# Altium PCB Accumulator board 1 mkII 3.0.PcbDoc (continued)
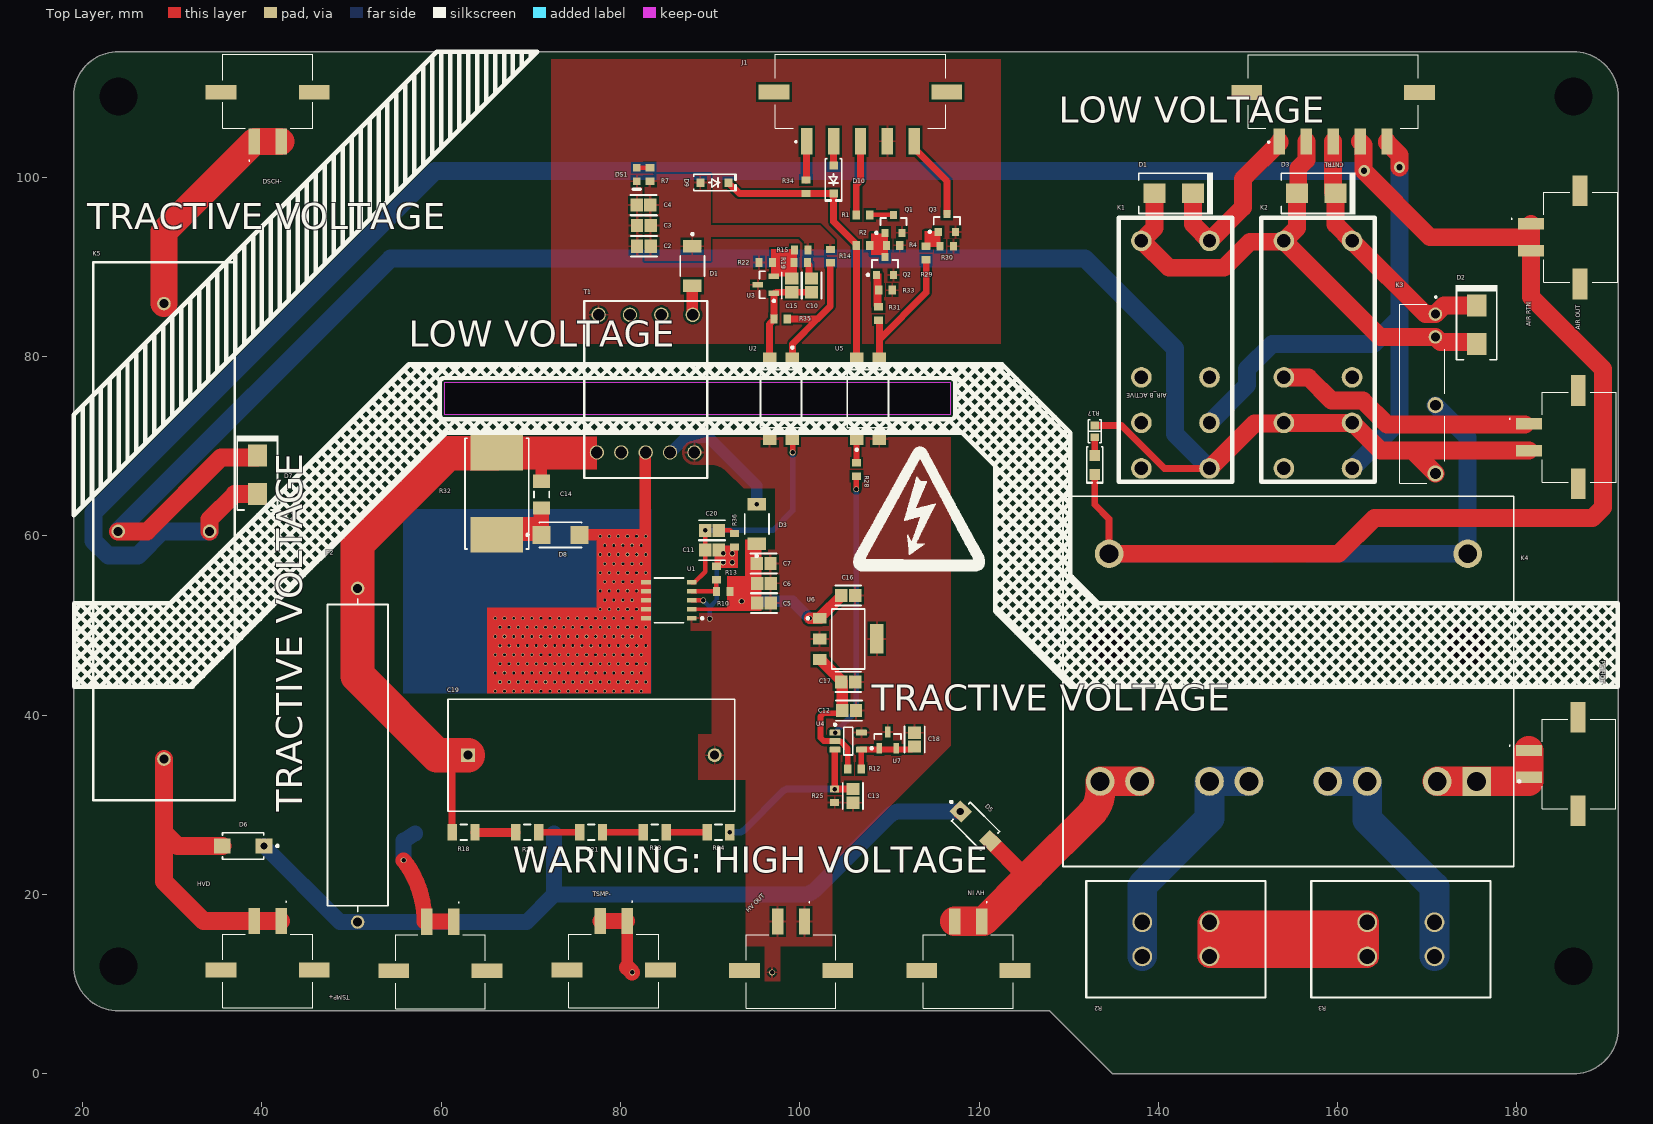
[diagram p0: Top Layer view]
## Part data (continued)
D5 D6: library part CMP-12791-000003-1, "DIODE GEN PURP 1KV 1A DFLAT", Capacitance=10pF, Forward Current=1A, Manufacturer=Diodes, Max Junction Temp=+150°C, Max Repetitive Reverse Voltage=1000V, Max Surge Forward Current=30A, Package=D-FLAT, Peak Reverse Current=5uA, Temperature="-55°C to +150°C", Temperature Range Low=-55°C, Automotive=Yes, Automotive Grade="Grade 0", Category=Diode, ComponentLink2Description=Datasheet, ComponentLink2URL=https://www.diodes.com/assets/Datasheets/US1JDFQ_US1MDFQ.pdf, Device Class L1="Discrete Semiconductors", Device Class L2=Diodes, Device Class L3="Rectifier Diodes", Digikey Description="DIODE GEN PURP 1KV 1A DFLAT", Footprint Url=https://www.diodes.com/assets/Package-Files/D-FLAT.pdf, Height=1.1mm, Lead Free=Yes, Manufacturer Part Number=US1MDFQ-13, Octopart=https://octopart.com/us1mdfq-13-diodes+inc.-75381839, Reverse Voltage=1000V, RoHS=TRUE, Temperature Range High=+150°C
D8: library part CMP-08971-000006-1, "Rectifiers DIODE GEN PURPOSE / 45ns / 1.15V", Forward Current=5A, Manufacturer=Rohm, Manufacturer Part Number=RSX501L-20TE25, Max Junction Temp=+125°C, Max Repetitive Reverse Voltage=25V, Max Surge Forward Current=70A, Package=PMDS, Peak Reverse Current=500uA, Reverse Voltage=20V, Temperature="to +125°C", Automotive=No, Category=Diode, ComponentLink2Description=Datasheet, ComponentLink2URL=https://eu.mouser.com/datasheet/2/348/rsx501l-20te25-e-1139044.pdf, Device Class L1="Discrete Semiconductors", Device Class L2=Diodes, Device Class L3="Schottky Diodes", Digikey Description="DIODE SCHOTTKY 20V 5A PMDS", Height=2.2mm, Lead Free=Yes, Obsolete Part=true, Octopart=https://octopart.com/rsx501l-20te25-rohm-333183, RoHS=TRUE, Temperature Range High=+125°C
D9 D10: library part 1N4448, "153-0632", Code_JEDEC=DO-204-AH, ComponentLink1Description="Manufacturer Link", ComponentLink1URL=http://www.fairchildsemi.com/, ComponentLink2Description=Datasheet, ComponentLink2URL=http://www.fairchildsemi.com/ds/1N%2F1N4448.pdf, DatasheetDocument=1997, LatestRevisionDate=17-Jul-2002, LatestRevisionNote="Re-released for DXP Platform.", PackageReference=DO-35, Published=8-Jun-2000, Publisher="Altium Limited"
DS1: library part CMP-1744-00004-1, "LED Uni-Color Red, 65 mW, 20 mA, -40 to 85 degC, 2-Pin SMD, RoHS, Tape and Reel", Current Rating="1 A", Max Operating Temperature="85 degC", Min Operating Temperature="-30 degC", Package Quantity=2000, ComponentLink1Description="Manufacturer URL", ComponentLink1URL=http://www.avagotech.com/, ComponentLink2Description=Datasheet, ComponentLink2URL=http://docs.avagotech.com/docs/AV02-0551EN, ComponentLink3Description="Package Specification", ComponentLink3URL=http://www.fairchildsemi.com/dwg/MA/MA03D.pdf, Connector Type=USB, Contact Material=Copper, Contact Plating=Gold, DatasheetVersion=Mar-12, Gender=Male, Height="2.8 mm", Lead Pitch="0.65 mm", Length="7.5 mm", Mount="Surface Mount", PackageDescription="2-Pin Surface Mount Device, Body 1.6 x 0.8 mm, Height 0.9 mm", PackageReference=HSMX-C190, Packaging="Tape and Reel", Pins=5, REACH SVHC="No SVHC", RoHSCompliant=true, Width="5.6 mm"
F2: library part CMP-16042-000001-1, "FUSE CERM 1.25A 1000V AXL", Fuse Current=1.25A, Fuse Voltage Drop=550mV, Manufacturer="Bel Fuse", Max Fuse Ac Voltage=1000V, Package=0ADBP, Resistance=300mΩ, Temperature="-50°C to +105°C", Temperature Range High=+105°C, Temperature Range Low=-50°C, Automotive=No, Category=Fuse, ComponentLink2Description=Datasheet, ComponentLink2URL=https://belfuse.com/resources/datasheets/circuitprotection/ds-cp-0adbx-series.pdf, Device Class L1="Circuit Protection", Device Class L2=Fuses, Device Class L3=unset, Digikey Description="FUSE CERM 1.25A 1000V AXL", Fuse Blow Speed=Fast, Fuse I2T=3A2Sec, Height=6.76mm, Ipc Land Pattern Name=CAPAD3723W100L3361D676, Lead Free=Yes, Manufacturer Part Number=0ADBP1250-RE, Max Fuse Dc Voltage=1000V, Octopart=https://octopart.com/0adbp1250-re-bel+fuse-88207834, RoHS=TRUE, Voltage Rating=1000V
K1 K2: "Dual-Pole Dual-Throw Relay", LatestRevisionDate=17-Jul-2002, LatestRevisionNote="Re-released for DXP Platform.", PackageDescription="Relay; 8 Leads", PackageReference=DIP-P8, Published=24-Mar-1999, Publisher="Altium Limited"
K3: "Relay"
K4: library part CMP-05606-000003-1, "RELAY GEN PURPOSE DPST 20A 24V", Coil Current=80mA, Coil Power=1920mW, Coil Resistance=300Ω, Coil Voltage=24V, Current Rating=20A, Manufacturer="Panasonic Electric Works", Manufacturer Part Number=HEV2AN-P-DC24V, Package=HE-V, Temperature="-40°C to +85°C", Temperature Range High=+85°C, Temperature Range Low=-40°C, Automotive=No, Category=Relay, Coil Type=Non-Latching, ComponentLink2Description=Datasheet, ComponentLink2URL=https://industrial.panasonic.com/ac/cdn/e/control/relay/interception/catalog/mech_eng_hev.pdf, Device Class L1=Electromechanical, Device Class L2=Relays, Device Class L3="Power Relays", Digikey Description="RELAY GEN PURPOSE DPST 20A 24V", Height=39.7mm, Lead Free=Yes, Mouser Description="General Purpose Relays HE-V 20A High Capacity DC24V", Number of Contacts=2, Octopart=https://octopart.com/hev2an-p-dc24v-panasonic-45743145, RoHS=TRUE, Switching Current=20A, Throw Configuration="DPST-NO (2 Form A)"
K5: "SPST NC Reed Relay"
Q1: library part CMP-1058-00785-1, "Small Signal MOSFET, 60 V, 380 mA, Single, N-Channel, 3-Pin SOT-23, Pb-Free, Tape and Reel", Manufacturer="On Semiconductor", Package Type=SOT-23-3, Channel Polarity="N Channel", Ciss Typ (pF)=24.5, ComponentLink1Description="Manufacturer URL", ComponentLink1URL=http://www.onsemi.com/, ComponentLink2Description=Datasheet, ComponentLink2URL=http://www.onsemi.com/pub_link/Collateral/2N7002K-D.PDF, ComponentLink3Description="Package Specification", ComponentLink3URL=http://www.onsemi.cn/pub_link/Collateral/318-08.PDF, Configuration=Single, Coss Typ (pF)=4.2, Crss Typ (pF)=2.2, DatasheetVersion="Rev. 11", ID Max (A)=0.38, Mounting Technology="Surface Mount", PackageDescription="3-Pin Small Outline Transistor, Body 2.92 x 1.3 mm, Pitch 0.95 mm", PackageReference=SOT-23-3-318-08, PackageVersion="Rev. AP, 11/2009", Packing="Tape and Reel", PartNumber=2N7002KT3G, RoHS=Pb-Free, V(BR)DSS Min (V)=60, VGS Max (V)=20, VGS(th) Max (V)=2.3
Q2 Q3: library part CMP-1048-00662-1, "High Voltage Transistor, NPN Silicon, 3-Pin SOT-23, Pb-Free, Tape and Reel", Manufacturer="On Semiconductor", ComponentLink1Description="Manufacturer URL", ComponentLink1URL=http://www.onsemi.com/, ComponentLink2Description=Datasheet, ComponentLink2URL=http://www.onsemi.cn/pub_link/Collateral/MMBTA42LT1-D.PDF, ComponentLink3Description="Package Specification", ComponentLink3URL=http://www.onsemi.cn/pub_link/Collateral/318-08.PDF, DatasheetVersion="Rev. 12", fT Min (MHz)=50, IC Continuous (A)=0.5, Mounting Technology="Surface Mount", PackageDescription="3-Pin Small Outline Transistor, Body 2.92 x 1.3 mm, Pitch 0.95 mm", PackageReference=SOT-23-3-318-08, PackageVersion="Rev. AP, 11/2009", Packing="Tape and Reel", PartNumber=MMBTA42LT1G, Polarity=NPN, RoHS=TRUE
R1 R2 R4 R7 R10 R12 R13 R14 R15 R19 R22 R25 R28 R29 R30 R31 R33 R34 R35 R36: library part CMP-2100-03667-1, "Chip Resistor, 0 Ohm, +/- 5%, 0.1 W, -55 to 155 degC, 0603 (1608 Metric), RoHS, Tape and Reel", Case Code (Imperial)=0603, Case Code (Metric)=1608, Manufacturer=Yageo, Max Operating Temperature=155degC, Min Operating Temperature=-55degC, Package Description="2-Pin Surface Mount Device, Body 1.6 x 0.8 mm", Package Quantity=5000, Power Rating=100mW, Resistance=0mOhm, Temperature Coefficient=200ppm/degreesC, Tolerance=5%, Voltage Rating=50V, Case/Package=0603, Composition=ThickFilm, Contact Plating=Tin, Datasheet URL=http://www.yageo.com/NewPortal/yageodocoutput?fileName=/pdf/R-Chip/PYu-RC_Group_51_RoHS_L_5.pdf, Datasheet Version="Rev. 5, 10/2016", Depth=0.8mm, Height=0.45mm, Lead Free=LeadFree, Length=1.6mm, Manufacturer URL=http://www.yageo.com/, Military Standard=Not, Number of Pins=2, Package Reference=0603, Packaging=TapeandReel, Radiation Hardening=No, REACH SVHC=NoSVHC, RoHSCompliant=true, Termination=SMD/SMT, Voltage Rating (DC)=50V, Width=0.8mm
R2 R3: library part Component_1, "https://www.ohmite.com/assets/docs/res_tww_twm.pdf"
R5 R6: library part CMP-03211-011405-1, "SMF715KJT", Case Code (Imperial)=5328, Case/Package=SMD/SMT, Max Operating Temperature=280°C, Max Power Dissipation=5W, Min Operating Temperature=-80°C, Number of Resistors=1, Resistance=1kR, Resistance Tolerance=5%, Resistor Type="Power resistor", Temperature Coefficient=100ppm/°C, Voltage Rating=500V, Depth=7.3mm, ELV=Compliant, Features="Flame Retardant Coating", Height=6.8mm, Length=13.5mm, Mount="Surface Mount", Number of Terminations=2, Packaging="Tape and Reel", Power Rating=5W, Radiation Hardening=No, RoHS Compliant=Yes, Series=SM, Technology="METAL FILM", Termination=Solder, Tolerance=5%, Voltage Rating (DC)=500V, Width=7.3mm
R17: library part Res1, "Thin Film Resistors - SMD 10K OHM .1% 15PPM 1/10W", LatestRevisionDate=17-Jul-2002, LatestRevisionNote="Re-released for DXP Platform.", PackageDescription="Axial Device, Thru-Hole; 2 Leads; 0.3 in Pin Spacing", PackageReference=AXIAL-0.3, Published=8-Jun-2000, Publisher="Altium Limited"
R18 R20 R21 R23 R24: library part CMP-02407-001891-1, "CRMA1206AF220KDKEF", Case Code (Imperial)=1206, Case Code (Metric)=3216, Max Operating Temperature=155°C, Max Power Dissipation=250mW, Min Operating Temperature=-55°C, Package Quantity=10, Resistance=33R, Temperature Coefficient=100ppm/°C, Tolerance=1%, Voltage Rating=200V, Case/Package=1206, Composition="Thick Film", Contact Plating=Tin, Depth=1.6mm, Features="Automotive AEC-Q200", Height=0.55mm, Lead Free="Lead Free", Length=3.2mm, Military Standard=Not, Number of Terminations=2, Packaging="Tape and Reel", Power Rating=250mW, Radiation Hardening=No, Termination=SMD/SMT, Voltage Rating (DC)=200V, Weight=0.000353oz, Width=1.6mm
R32: library part CMP-02407-000027-1, "Thick Film Resistors - SMD 3560 2K4 1% / 35602K4FT", Manufacturer=Vishay, Manufacturer Part Number=WSR3R1000FEK, Package=WSR, Power Rating=3W, Resistance=100mΩ, Temperature="-65°C to +275°C", Temperature Coefficient=75ppm/°C, Temperature Range High=+275°C, Temperature Range Low=-65°C, Tolerance=1%, Automotive=Yes, Automotive Grade="Grade 0", Category=Res, ComponentLink2Description=Datasheet, ComponentLink2URL=http://www.vishay.com/docs/30101/wsr.pdf, Composition="Metal Strip", Device Class L1="Passive Components", Device Class L2=Resistors, Device Class L3="Chip SMD Resistors", Digikey Description="RES 0.1 OHM 1% 3W 4527", Height=2.537mm, Lead Free=Yes, Mouser Description="Res Metal Strip 4527 0.1 Ohm 1% 3W ±75ppm/C Sulfur Resistant Molded J-Lead SMD Automotive Bulk", Octopart=https://octopart.com/wsr3r1000fek-vishay-39709091, RoHS=TRUE, Series=WSR
T1: library part Trans3, "Three-winding Transformer (Non-Ideal)", LatestRevisionDate=17-Jul-2002, LatestRevisionNote="Re-released for DXP Platform.", PackageDescription="Transformer; 6 Leads", PackageReference=TRF_6, Published=25-Jan-2001, Publisher="Altium Limited", Sim Note="Enter the turns ratios, Core loss resistance, Magnetising Reactance, Leakage Reactances and Resistances referred to the primary side into the parameter fields."
U1: library part CMP-12154-000005-1, "IC OFFLINE CONV PWM 10SSOP", Manufacturer=STMicroelectronics, Max Junction Temp=+150°C, Max Power Dissipation=1W, Max Supply Voltage=30V, Min Supply Voltage=4.5V, Nominal Supply Current=0.85mA, Package=SSOP10-8140761, Switching Frequency=60kHz, Temperature="-40°C to +150°C", Temperature Range Low=-40°C, Automotive=No, Category=IC, ComponentLink2Description=Datasheet, ComponentLink2URL=https://www.st.com/resource/en/datasheet/viper01.pdf, Device Class L1="Integrated Circuits (ICs)", Device Class L2="Power Management ICs", Device Class L3="Voltage Regulators - Switching", Digikey Description="IC OFFLINE CONV PWM 10SSOP", Height=1.75mm, Ipc Land Pattern Name=SOP100P600X175-10, Lead Free=Yes, Manufacturer Part Number=VIPER013LS, Max Duty Cycle=80%, Number of Outputs=1, Octopart=https://octopart.com/viper013ls-stmicroelectronics-74146980, Output Type=Fixed, RoHS=TRUE, Standoff Height=0.1mm, Switching Topology=Buck,Buck-Boost,Flyback, Temperature Range High=+150°C
U2 U5: library part CMP-2000-06631-1, "Photocoupler, 50 mA, -30 to 110 degC, 4-Pin SMD, RoHS, Tape and Reel", Isolation Voltage-Max=5000V, Manufacturer=Lite-On, Operating Temp-Max=100°C, Output Voltage-Max=80V, Package Description="4-Pin Surface Mount Device, Body 6.5 x 4.6 mm, Pitch 2.54 mm", Package Reference=LTV-816S, CTR-Min=50%, Datasheet URL=https://datasheet.ciiva.com/6573/s-110-ltv-816826846m-s-s-ta-s-ta1-s-tpseries-6573993.pdf, Datasheet Version="Rev. F, 04/2010", Manufacturer URL=http://www.us.liteon.com/, Mounting Technology=SurfaceMount, No of Channels=1
U3 U7: library part CMP-0242-00063-1, "Programmable Voltage Reference, 2.5 to 36V, 3-Pin SOT23-3, Tape and Reel", ComponentLink1Description="Manufacturer URL", ComponentLink1URL=http://www.st.com, ComponentLink2Description=Datasheet, ComponentLink2URL=http://www.st.com/internet/com/TECHNICAL_RESOURCES/TECHNICAL_LITERATURE/DATASHEET/CD00000986.pdf, DatasheetVersion=Oct-2011, PackageDescription="3-Pin SOT-23 Package 0.95 mm Pitch, 2.4 mm Lead Span", PackageReference=SOT23-3, PackageVersion=2011
U4: library part CMP-0055-01212-3, "Tiny CMOS Comparator with Rail-to-Rail Input, 5-pin SOT-23, Pb-Free", Manufacturer="Texas Instruments", Package Reference=DBV0005A, PackageTopMarking=C00A*XTT, PowerWise=N, ComponentLink1Description="Datasheet URL", ComponentLink1URL=http://www.ti.com/general/docs/lit/getliterature.tsp?genericPartNumber=LMC7211-N&fileType=pdf, CompType=Amplifiers, PackageDescription="Molded SOT-23, .115 x .063 x .040 in Body, 5 Lead, .0375 in Pitch", PinCount=5, RoHS=Y
U6: library part CMP-12153-000003-1, "IC REG LINEAR 5V 150MA SOT223", Dropout Voltage=500mV, Manufacturer=STMicroelectronics, Max Junction Temp=+150°C, Max Supply Voltage=40V, Min Supply Voltage=5.6V, Nominal Supply Current=50uA, Output Current=150mA, Output Voltage=5V, Package=SOT-223-GAPGPS01378, Temperature="-40°C to +150°C", Temperature Range Low=-40°C, Accuracy Percentage=2%, Automotive=Yes, Automotive Grade="Grade 0", Category=IC, ComponentLink2Description=Datasheet, ComponentLink2URL=https://www.st.com/resource/en/datasheet/l5150bn.pdf, Device Class L1="Integrated Circuits (ICs)", Device Class L2="Power Management ICs", Device Class L3="Voltage Regulators - Linear", Digikey Description="IC REG LINEAR 5V 150MA SOT223", Footprint Url=https://www.st.com/content/ccc/resource/technical/document/application_note/45/cc/69/ea/2f/8d/4e/3c/CD00004438.pdf/files/CD00004438.pdf/jcr:content/translations/en.CD00004438.pdf, Height=1.9mm, Ipc Land Pattern Name=SOT230P700X190-4, Lead Free=Yes, Manufacturer Part Number=L5150BNTR, Mouser Description="LDO Voltage Regulators 5V LDO 500mV Vdp 150mA 5.6V to 40V", Number of Outputs=1, Octopart=https://octopart.com/l5150bntr-stmicroelectronics-18186753, Output Type=Fixed, RoHS=TRUE, Standoff Height=0.02mm, Temperature Range High=+150°C

## Free pads (board coordinates)
  round 1.524 hole 4.2: 4(24,12) 4(186.3,109) 5(186.3,12) r(24,109)
  round 1.524 hole 4.8: 6(134.5,47.75) 6(174.5,47.75)

## Via types
v1: diameter 0.4, hole 0.3, Top Layer to Bottom Layer, 198 vias
v2: diameter 0.65, hole 0.5, Top Layer to Bottom Layer, 18 vias
v3: diameter 1, hole 0.8, Top Layer to Bottom Layer, 2 vias
v4: diameter 1.27, hole 0.711, Top Layer to Bottom Layer, 2 vias

## Nets (pads, with @x,y where several pads share a name; then routed paths per layer and width w, separated by ;. In a path a pad name is that pad's centre, name@x,y a point inside that pad or via, vN(x,y) a via of type N, cw(c..) or ccw(c..) an arc to the next point about the centre after c; other vN are vias at no path point)
+5: C2.1 C3.1 C4.1 D1.1@88,92.3 D9.1 R7.2 R14.2 R15.2 | length 0.2
  Top Layer w0.762: R15.2@100.881,91.919 R15.2 ; R14.2@103.281,91.969 103.3,91.95 R14.2
+12V: D10.1 J1.2 | length 2.7
  Top Layer w0.5: D10.1 D10.1@103.762,101.324 ; J1.2@103.762,104.017 J1.2
  Top Layer w0.762: D10.1@103.762,101.324 J1.2@103.762,104.017
ACC+: "HV IN.1" "HV IN.2" D5.2 K4.4 | length 34.5
  Top Layer w1.778: D5.2 125,22.2 125.7,22.2
  Top Layer w3.3: 117.295,16.98 120.48,16.98 125.7,22.2 132.537,29.037 ccw(c130.2,31.367) 133.5,31.367 133.5,32.6 K4.4@137.9,32.6
AIR_B: "AIR OUT.2" D7.2 K1.1 K2.2 K2.7 K3.11 K5.0 R17.1 | length 226.1
  Top Layer w0.762: R17.1 135.876,72.3 140.656,67.52 K1.1
  Top Layer w2: K5.0 27.204,60.5 35.422,68.718 39.422,68.718 39.497,68.793 D7.2 ; K1.1 150.723,72.543 153.943,72.543 K2.7 161.681,72.6 164.781,69.5 168.346,69.5 ; K3.11 168.346,69.5 ; 181.35,69.5 168.346,69.5
  Bottom Layer w2: K5.0@24.003,60.579 54.356,90.932 131.826,90.932 141.859,80.899 141.859,71.361 K1.1
AIR_T: "AIR OUT.1" K2.6 | length 29.1
  Top Layer w2: K2.6 156.72,77.68 159.3,75.1 162.8,75.1 165.5,72.4 180.89,72.4
AUX: C5.1 C6.1 C7.1 C16.1 D3.1@95.2,59.1 R10.2 U1.2 U6.1 | length 13.1
  Top Layer w1.27: v2(101.092,50.8) U6.1 102.28,50.8 102.315,50.835 102.315,50.98 104.636,53.301 C16.1
  Bottom Layer w1.27: v2(93.5,52.7) 99.192,52.7 v2(101.092,50.8)
DISC_-: DSCH-.1 DSCH-.2 K5.3 | length 25.3
  Top Layer w3: K5.3 29.063,93.919 DSCH-.1 DSCH-.2
GND: "HV OUT.1" "HV OUT.2" C5.2 C6.2 C7.2 C11.2 C12.2 C13.2 C16.2 C17.2 C18.2 C19.2 R5.2 R13.1 R25.1 R36.1 T1.5 U1.1 U1.3 U2.3 U4.5 U5.2 U6.2 U6.4 U7.3 | length 9.4
  Top Layer w0.508: U1.3 v2(89.23,52.8)
  Bottom Layer w0.508: v2(89.23,52.8) 89.23,52.762 89.941,52.05 v2(89.941,50.749) ; 89.941,52.041 90.754,52.854 90.754,56.642 91.135,57.023 v2(91.44,57.023)
  other v2: 96.9,11.3 92.456,57.023 91.44,58.039 92.456,58.039
hbus: C14.2 C19.1 F2.2 R18.1 R32.2 T1.3 | length 59.8
  Top Layer w0.762: 59.525,35.525 61.214,33.836 R18.1
  Top Layer w1.27: R32.2 R32.2@66.225,69.3
  Top Layer w3.81: C19.1 59.525,35.525 50.675,44.375 F2.2 50.675,59.15 60.735,69.21 66.135,69.21 R32.2
HV+: D5.1 D6.1 F2.1 R6.2 | length 93
  Bottom Layer w1.778: v3(40.225,25.4) 48.715,16.91 F2.1 69.51,16.91 72.6,20 ; R6.2 72.6,20 ; v3(117.903,29.242) 111.178,29.242 ccw(c111.178,27.464) 109.921,28.721 101.721,20.521 cw(c100.464,21.778) 100.464,20 72.6,20
HVD: D6.2 HVD.1 HVD.2 K5.2 | length 35.7
  Top Layer w2: K5.2 29.063,26.9 ; D6.2 30.563,25.4 29.063,26.9 ; HVD.1 HVD.2 33.463,17.037 29.063,21.437 29.063,26.9
inv_MAIN: CNTRL.1 D1.2@143.85,98.199 K1.4 | length 20.4
  Top Layer w2: D1.2@143.85,98.199 143.85,94.75 K1.4 149.446,96.646 149.446,99.831 153.5,103.885 CNTRL.1
inv_PRE: CNTRL.3 D2.2 D3.2@159.75,98.2 K2.4 K3.A1 | length 29.7
  Top Layer w2: CNTRL.3 159.5,98.3 159.6,98.2 159.75,98.2 159.75,94.75 K2.4 169.774,84.726 K3.A1 171.874,85.7 D2.2
inv_Return: CNTRL.2 D1.1@139.55,98.199 D2.1 D3.1@155.45,98.2 K1.5 K2.5 K3.A2 | length 62.6
  Top Layer w2: D1.1@139.55,98.199 139.55,94.35 K1.5 138.181,92.9 141.181,89.9 147.3,89.9 150.2,92.8 153.688,92.8 153.73,92.843 153.861,92.843 K2.5@153.902,92.802 ; D3.1@155.45,98.2 155.45,94.35 K2.5 164.714,82.186 K3.A2 171.461,81.625 175.425,81.625 175.5,81.55 D2.1 ; D3.1@155.6,98.2 155.6,101 156.5,101.9 CNTRL.2
"ISO GND": C2.2 C3.2 C4.2 DS1.2 J1.4 Q1.2 Q2.2 Q3.2 R4.1 R22.1 R30.1 R33.1 T1.1 U3.3
"ISO PWR": D9.2 D10.2 R2.2 R34.1 U5.4 | length 31.7
  Top Layer w0.762: D9.2 92.05,99.375 93.254,98.171 D10.2 103.759,95.041 106.3,92.5 R2.2 106.3,92.3 106.33,92.27 U5.4
"LED IN": J1.5 Q3.3 | length 9.6
  Top Layer w0.762: J1.5 112.765,103.195 116.4,99.56 Q3.3
"NetAIR_B ACTIVE_1": "AIR_B ACTIVE.1" R17.2 | length 2.1
  Top Layer w0.762: 132.9,68.943 R17.2
NetC10_1: C10.1 C15.1 R35.1 U2.2 U3.1 | length 11.7
  Top Layer w0.762: U2.2 96.63,80.039 96.6,80.069 96.6,83.6 97.081,84.081 97.081,84.181 R35.1 U3.1 97.238,87.05 97.36,87.172 C15.1 C10.1
NetC10_2: C10.2 R19.1 | length 2
  Top Layer w0.762: R19.1 100.85,90.4 101.04,90.21 101.04,88.933 C10.2@101.273,88.7
NetC11_1: C11.1 C20.1 U1.5 U2.4 | length 25.3
  Top Layer w0.508: U1.5 88.245,54.8 89.436,55.991 C11.1 C20.1
  Top Layer w0.635: U2.4 99.197,70.773 99.197,69.303 v2(99.2,69.3)
  Bottom Layer w0.635: v2(89.422,60.607) 97.007,60.607 99.2,62.8 v2(99.2,69.3)
NetC12_1: C12.1 C17.1 R12.2 U4.2 U6.3 | length 17.7
  Top Layer w0.635: C12.1 104.457,40.221 102.672,40.221 102.3,39.849 102.3,37.479 102.672,37.108 103.917,37.108 103.932,37.092 104.508,37.092 105.35,36.25 R12.2
  Top Layer w1.27: U6.3 102.28,46.2 104.713,43.767 104.713,42.656 104.736,42.633 C12.1
NetC13_1: C13.1 R24.2 R25.2 U4.3 | length 19.7
  Top Layer w0.762: 103.886,35.814 v2(103.886,31.75) v2(103.886,31.75) 105.917,31.751 C13.1
  Bottom Layer w0.762: v2(92.202,26.924) 93.208,26.924 ccw(c93.208,27.686) 93.747,27.147 98.127,31.527 cw(c98.666,30.988) 98.664,31.75 98.666,31.75 v2(103.886,31.75)
NetC14_1: C14.1 D8.1 R32.1
NetC15_2: C15.2 R15.1 R19.2 R22.2 U3.2
NetC18_1: C18.1 R12.1 U4.4 U7.1 U7.2 | length 8.2
  Top Layer w0.635: R12.1 106.85,36.143 106.858,36.15 U4.4 106.882,36.158 112.458,36.158 C18.1
NetC20_2: C20.2 R36.2 | length 1.9
  Top Layer w0.508: C20.2 92.25,60.6 92.6,60.25 R36.2
NetD1_2: D1.2@88,87.9 T1.2 | length 3.3
  Top Layer w1.27: D1.2@88,87.9 88,84.65 T1.2
NetD3_2: D3.2@95.2,63.5 T1.6 | length 14.7
  Bottom Layer w1.27: T1.6 85.609,69.3 87.298,70.989 89.811,70.989 95.2,65.6 v2(95.2,63.5)
NetD4_2: D4.2 K3.14 K4.6 | length 35.8
  Bottom Layer w2: D4.2 K4.6 174.5,70.966 K3.14
NetD8_2: D8.2 T1.4 U1.6 U1.7 U1.8 U1.9 U1.10 | length 13.9
  Top Layer w1.27: D8.2 78.1,60.1 ; 82.4,58.3 82.5,58.3 82.765,58.565 82.765,69.265 T1.4
  other v1: 66.04,42.672 67.056,42.672 68.072,42.672 69.088,42.672 70.104,42.672 71.12,42.672 72.136,42.672 73.152,42.672 74.168,42.672 75.184,42.672 76.2,42.672 77.216,42.672 78.232,42.672 79.248,42.672 80.264,42.672 81.28,42.672 82.296,42.672 66.548,43.688 67.564,43.688 68.58,43.688 69.596,43.688 70.612,43.688 71.628,43.688 72.644,43.688 73.66,43.688 74.676,43.688 75.692,43.688 76.708,43.688 77.724,43.688 78.74,43.688 79.756,43.688 80.772,43.688 81.788,43.688 82.804,43.688 66.04,44.704 67.056,44.704 68.072,44.704 69.088,44.704 70.104,44.704 71.12,44.704 72.136,44.704 73.152,44.704 74.168,44.704 75.184,44.704 76.2,44.704 77.216,44.704 78.232,44.704 79.248,44.704 80.264,44.704 81.28,44.704 82.296,44.704 66.548,45.72 67.564,45.72 68.58,45.72 69.596,45.72 70.612,45.72 71.628,45.72 72.644,45.72 73.66,45.72 74.676,45.72 75.692,45.72 76.708,45.72 77.724,45.72 78.74,45.72 79.756,45.72 80.772,45.72 81.788,45.72 82.804,45.72 66.04,46.736 67.056,46.736 68.072,46.736 69.088,46.736 70.104,46.736 71.12,46.736 72.136,46.736 73.152,46.736 74.168,46.736 75.184,46.736 76.2,46.736 77.216,46.736 78.232,46.736 79.248,46.736 80.264,46.736 81.28,46.736 82.296,46.736 66.548,47.752 67.564,47.752 68.58,47.752 69.596,47.752 70.612,47.752 71.628,47.752 72.644,47.752 73.66,47.752 74.676,47.752 75.692,47.752 76.708,47.752 77.724,47.752 78.74,47.752 79.756,47.752 80.772,47.752 81.788,47.752 82.804,47.752 66.04,48.768 67.056,48.768 68.072,48.768 69.088,48.768 70.104,48.768 71.12,48.768 72.136,48.768 73.152,48.768 74.168,48.768 75.184,48.768 76.2,48.768 77.216,48.768 78.232,48.768 79.248,48.768 80.264,48.768 81.28,48.768 82.296,48.768 66.548,49.784 67.564,49.784 68.58,49.784 69.596,49.784 70.612,49.784 71.628,49.784 72.644,49.784 73.66,49.784 74.676,49.784 75.692,49.784 76.708,49.784 77.724,49.784 78.74,49.784 79.756,49.784 80.772,49.784 81.788,49.784 82.804,49.784 66.04,50.8 67.056,50.8 68.072,50.8 69.088,50.8 70.104,50.8 71.12,50.8 72.136,50.8 73.152,50.8 74.168,50.8 75.184,50.8 76.2,50.8 77.216,50.8 78.232,50.8 79.248,50.8 80.264,50.8 81.28,50.8 77.724,51.816 78.74,51.816 79.756,51.816 80.772,51.816 81.788,51.816 78.232,52.832 79.248,52.832 80.264,52.832 81.28,52.832 77.724,53.848 78.74,53.848 79.756,53.848 80.772,53.848 81.788,53.848 78.232,54.864 79.248,54.864 80.264,54.864 81.28,54.864 77.724,55.88 78.74,55.88 79.756,55.88 80.772,55.88 81.788,55.88 82.804,55.88 78.232,56.896 79.248,56.896 80.264,56.896 81.28,56.896 82.296,56.896 77.724,57.912 78.74,57.912 79.756,57.912 80.772,57.912 81.788,57.912 82.804,57.912 78.232,58.928 79.248,58.928 80.264,58.928 81.28,58.928 82.296,58.928 77.724,59.944 78.74,59.944 79.756,59.944 80.772,59.944 81.788,59.944 82.804,59.944
NetDS1_1: DS1.1 R7.1 | length 1.5
  Top Layer w0.508: DS1.1 R7.1
NetJ1_1: J1.1 R34.2 | length 4.4
  Top Layer w0.762: R34.2 100.719,99.683 100.738,99.702 100.738,103.993 J1.1
NetK4_2: K4.2 R3.1 | length 27
  Bottom Layer w3.3: K4.2@158.9,32.6 163.3,32.6 163.3,28.343 170.8,20.843 R3.1@170.8,13.081
NetK4_3: K4.3 R2.0 | length 27
  Bottom Layer w3.3: R2.0@138.2,13.081 138.2,20.979 145.7,28.479 145.7,32.6 K4.3@150.1,32.6
NetQ1_1: Q1.1 Q2.3 R2.1@107.8,92.4 R4.2
NetQ1_3: Q1.3 R1.1 | length 2.7
  Top Layer w0.5: R1.1 Q1.3
NetQ2_1: Q2.1 R31.1 R33.2
NetQ3_1: Q3.1 R29.1 R30.2
NetR2_1: R2.1@145.7,13.081 R2.1@145.7,16.891 R3.0
NetR5_1: R5.1 TSMP-.1 TSMP-.2 | length 9
  Top Layer w1.27: 80.742,11.858 TSMP-.1
  Top Layer w1.778: TSMP-.2 TSMP-.1 ; 80.742,11.858 v2(81.3,11.3)
NetR6_1: R6.1 TSMP+.1 TSMP+.2 | length 13.9
  Top Layer w1.778: v2(55.8,23.8) cw(c46.877,16.953) 58.124,16.98 TSMP+.1@60.966,16.98
  Bottom Layer w1.778: v2(55.8,23.8) 55.8,25.989 R6.1
NetR10_1: R10.1 R13.2 U1.4 | length 4.1
  Top Layer w0.508: U1.4 R10.1 R13.2
NetR14_1: R14.1 R35.2 U2.1 | length 15.9
  Top Layer w0.762: R35.2 101.97,84.2 103.4,85.63 R14.1 ; U2.1 99.17,81.4 102.053,84.283
NetR18_2: R18.2 R20.1 | length 4.6
  Top Layer w1: R18.2 R20.1
NetR20_2: R20.2 R21.1 | length 4.6
  Top Layer w0.762: R20.2 R21.1
NetR21_2: R21.2 R23.2 | length 4.6
  Top Layer w0.762: R21.2 R23.2
NetR23_1: R23.1 R24.1 | length 4.6
  Top Layer w0.762: R23.1 R24.1
NetR28_1: R28.1 U5.1 | length 2.7
  Top Layer w0.635: R28.1 106.315,68.165 106.315,70.785 U5.1
NetR28_2: R28.2 U4.1 | length 29.6
  Top Layer w0.635: v2(106.3,65.2) R28.2
  Bottom Layer w0.635: v2(103.925,38.05) 106.3,40.425 v2(106.3,65.2)
NetR29_2: R29.2 R31.2 U5.3 | length 15.4
  Top Layer w0.762: R31.2 108.851,84.05 108.87,84.031 108.87,81.916 ; U5.3 108.87,81.916 ; R29.2 114.1,87.146 108.87,81.916
PC_hot: "PC HOT.1" "PC HOT.2" K4.1 | length 13.7
  Top Layer w3.3: K4.1@171.1,32.6 175.5,32.6 181.332,32.6 181.332,33.044 181.332,36.044
SAFEIN: CNTRL.5 K1.2 K2.1 | length 66.3
  Top Layer w2: CNTRL.5 165.5,103.885 166.9,102.485 v4(166.9,101.1)
  Bottom Layer w2: K1.2 149.9,76.8 149.9,78.6 152.7,81.4 164,81.4 166.9,84.3 ; K2.1 166.9,72.82 166.9,84.3 ; v4(166.9,101.1) 166.9,84.3
SAFEOUT: "AIR RTN.1" "AIR RTN.2" "AIR_B ACTIVE.2" CNTRL.4 D4.1 D7.1 K4.5 K5.1 | length 328.1
  Top Layer w0.762: 132.9,66.843 132.9,63.5 134.5,61.9 K4.5
  Top Layer w2: K5.1 34.163,61.849 36.956,64.642 39.496,64.642 D7.1 ; K4.5 160.1,58 164.1,62 188.428,62 189.6,63.172 189.6,78.6 181.55,86.65 181.55,91.8 181.55,93.3 ; CNTRL.4 162.865,103.615 162.865,100.735 170.3,93.3 181.55,93.3 ; 181.55,94.8 181.55,93.3
  Bottom Layer w2: K5.1 28.877,60.5 26.162,57.785 22.86,57.785 21.209,59.436 21.209,62.611 59.309,100.711 v4(162.941,100.711) ; K4.5 D4.1
"TSAL out": J1.3 R1.2 | length 8.4
  Top Layer w0.762: R1.2 106.3,99.188 106.765,99.653 J1.3
pads on no net: "AIR OUT.MP1" "AIR OUT.MP2" "AIR RTN.MP1" "AIR RTN.MP2" "HV IN.MP1" "HV IN.MP2" "HV OUT.MP1" "HV OUT.MP2" "PC HOT.MP1" "PC HOT.MP2" CNTRL.MP1 CNTRL.MP2 DSCH-.MP1 DSCH-.MP2 HVD.MP1 HVD.MP2 J1.MP1 J1.MP2 K1.3 K1.6 K1.7 K1.8 K2.3 K2.8 T1.7 T1.8 T1.9 TSMP+.MP1 TSMP+.MP2 TSMP-.MP1 TSMP-.MP2

## Polygon pours and split planes (outlines as drawn)
GND on Top Layer "GND_L01_P000" (solid, pour order 0): 96.1,14.224 96.1,10.3 97.8,10.3 97.8,14.224 103.6,14.224 103.6,23.336 116.84,36.576 116.84,71 89.408,71 87.825,70.566 ccw(c88.169,69.312) 87.249,70.231 87.227,70.209 ccw(c88.094,69.342) 86.868,69.342 86.868,69.246 ccw(c88.169,69.246) 87.249,68.326 ccw(c88.169,69.246) 88.169,67.945 90.007,67.945 cw(c90.007,65.405) 91.803,67.201 93.726,65.278 97.282,65.278 97.282,58.42 95.758,58.42 95.758,51.562 87.808,51.562 87.808,49.403 90.17,49.403 90.17,37.846 88.646,37.846 88.646,32.766 93.98,32.766 93.98,14.224
"ISO GND" on Top Layer "ISO_GND_L01_P002" (solid, pour order 2): 122.428,81.407 122.428,113.157 72.263,113.157 72.263,81.407 74.295,81.407
+5 on Top Layer "+5_L01_P001" (solid, pour order 1): 90.043,94.647 102.253,94.647 103.9,93 103.9,91.3 100.5,91.3 100.5,92.8 99.947,93.353 90.043,93.353 90.043,90.678 82.677,90.678 82.677,100.33 90.043,100.33
no net on Top Overlay (hatched 45Degree grid 1 track 0.5): 191.262,52.451 133.35,52.451 130.175,55.626 130.175,71.501 122.555,79.121 56.388,79.121 29.718,52.451 19.05,52.451 19.05,43.18 32.258,43.18 60.579,71.501 118.11,71.501 121.793,67.818 121.793,51.562 130.175,43.18 191.262,43.18
no net on Top Overlay (hatched Vertical grid 1 track 0.5): 19,62.3 70.7,114 59.5,114 19,73.5
no net on Bottom Overlay (hatched Vertical grid 1 track 0.5): 19,62.3 70.7,114 59.5,114 19,73.5
no net on Bottom Overlay (hatched 45Degree grid 1 track 0.5): 191.262,52.451 133.35,52.451 130.175,55.626 130.175,71.501 122.555,79.121 56.388,79.121 29.718,52.451 19.05,52.451 19.05,43.18 32.258,43.18 60.579,71.501 118.11,71.501 121.793,67.818 121.793,51.562 130.175,43.18 191.262,43.18

## Other copper
Top Layer:
  rectangle net NetQ3_1: 113.919,92.202 115.697,93.98
  rectangle net NetQ2_1: 108.204,85.598 109.093,89.281
  rectangle net NetQ1_1: 107.95,91.313 109.855,93.726
  rectangle net NetC15_2: 96.774,88.949 99.695,91.997
  rectangle net NetD8_2: 65.1,42.4 83.4,52
  rectangle net hbus: 70.5,65.6 71.8,68
  rectangle net hbus: 63.4,67.4 77.4,71.1
  rectangle net NetC14_1: 70.3,61.9 72,63.5
  rectangle net NetC14_1: 63.5,59.4 72,62.1
  rectangle net NetD8_2: 77.3,51.6 83.4,60.75
  rectangle net GND: 90.5,56.4 93.1,58.9
  rectangle net AUX: 91.9,51.8 94.5,55.5
  rectangle net AUX: 87.7,51.6 95.7,52
  rectangle net AUX: 93.9,52 95.7,59.6
  region net NetR2_1: 163.322,11.811 145.669,11.811 cw(c145.669,13.081) 144.399,13.081 144.399,16.891 cw(c145.669,16.891) 145.669,18.161 163.322,18.161 cw(c163.322,16.891) 164.592,16.891 164.592,13.081 cw(c163.322,13.081)
Bottom Layer:
  rectangle net NetD8_2: 55.753,42.418 83.439,62.992
  rectangle net GND: 90.5,56.388 93.116,58.903

## Silkscreen, mask and mechanical layers (free items; w line width, h text height)
Top Overlay:
  drawing of 2 lines, arcs and shapes, not listed
  text "LOW VOLTAGE" at 128.9,105.1 h5
  text "TRACTIVE VOLTAGE" at 20.5,93.2 h5
  text "LOW VOLTAGE" at 56.4,80.1 h5
  text "TRACTIVE VOLTAGE" at 108,39.5 h5
  text "TRACTIVE VOLTAGE" at 45.5,29.2 h5 r90
  text "WARNING: HIGH VOLTAGE" at 68,21.4 h5
Bottom Overlay:
  text "2022 High Voltage Board V3.0 / Designed by Jonathan Hyman" at 179.3,105.1 h1.52
  text "\"...there are problems to my solutions.\"" at 129.3,103.12 h5
Board Outline:
  lines w0.254: 19,109 19,12 ccw(c24,12) 24,7 127.508,7 127.747,7 127.874,7 134.874,0 186.3,0 ccw(c186.3,5) 191.3,5 191.3,6.096 191.3,109 ccw(c186.3,109) 186.3,114 24,114 ccw(c23.95,109.05) 19,109.1